# Altium PCB RTM_SFP.PcbDoc (part 3 of 5)
Units mm, origin at the board's own origin, x right, y up, seen from the top; angles counter-clockwise.
Board outline 182.5 x 148.5 mm, 4 copper layers (Top Layer, MidPlane_1, MidPlane_2, Bottom Layer), stack 1.614 mm thick; 376 components, 325 nets, 1560 pads, 1463 vias.
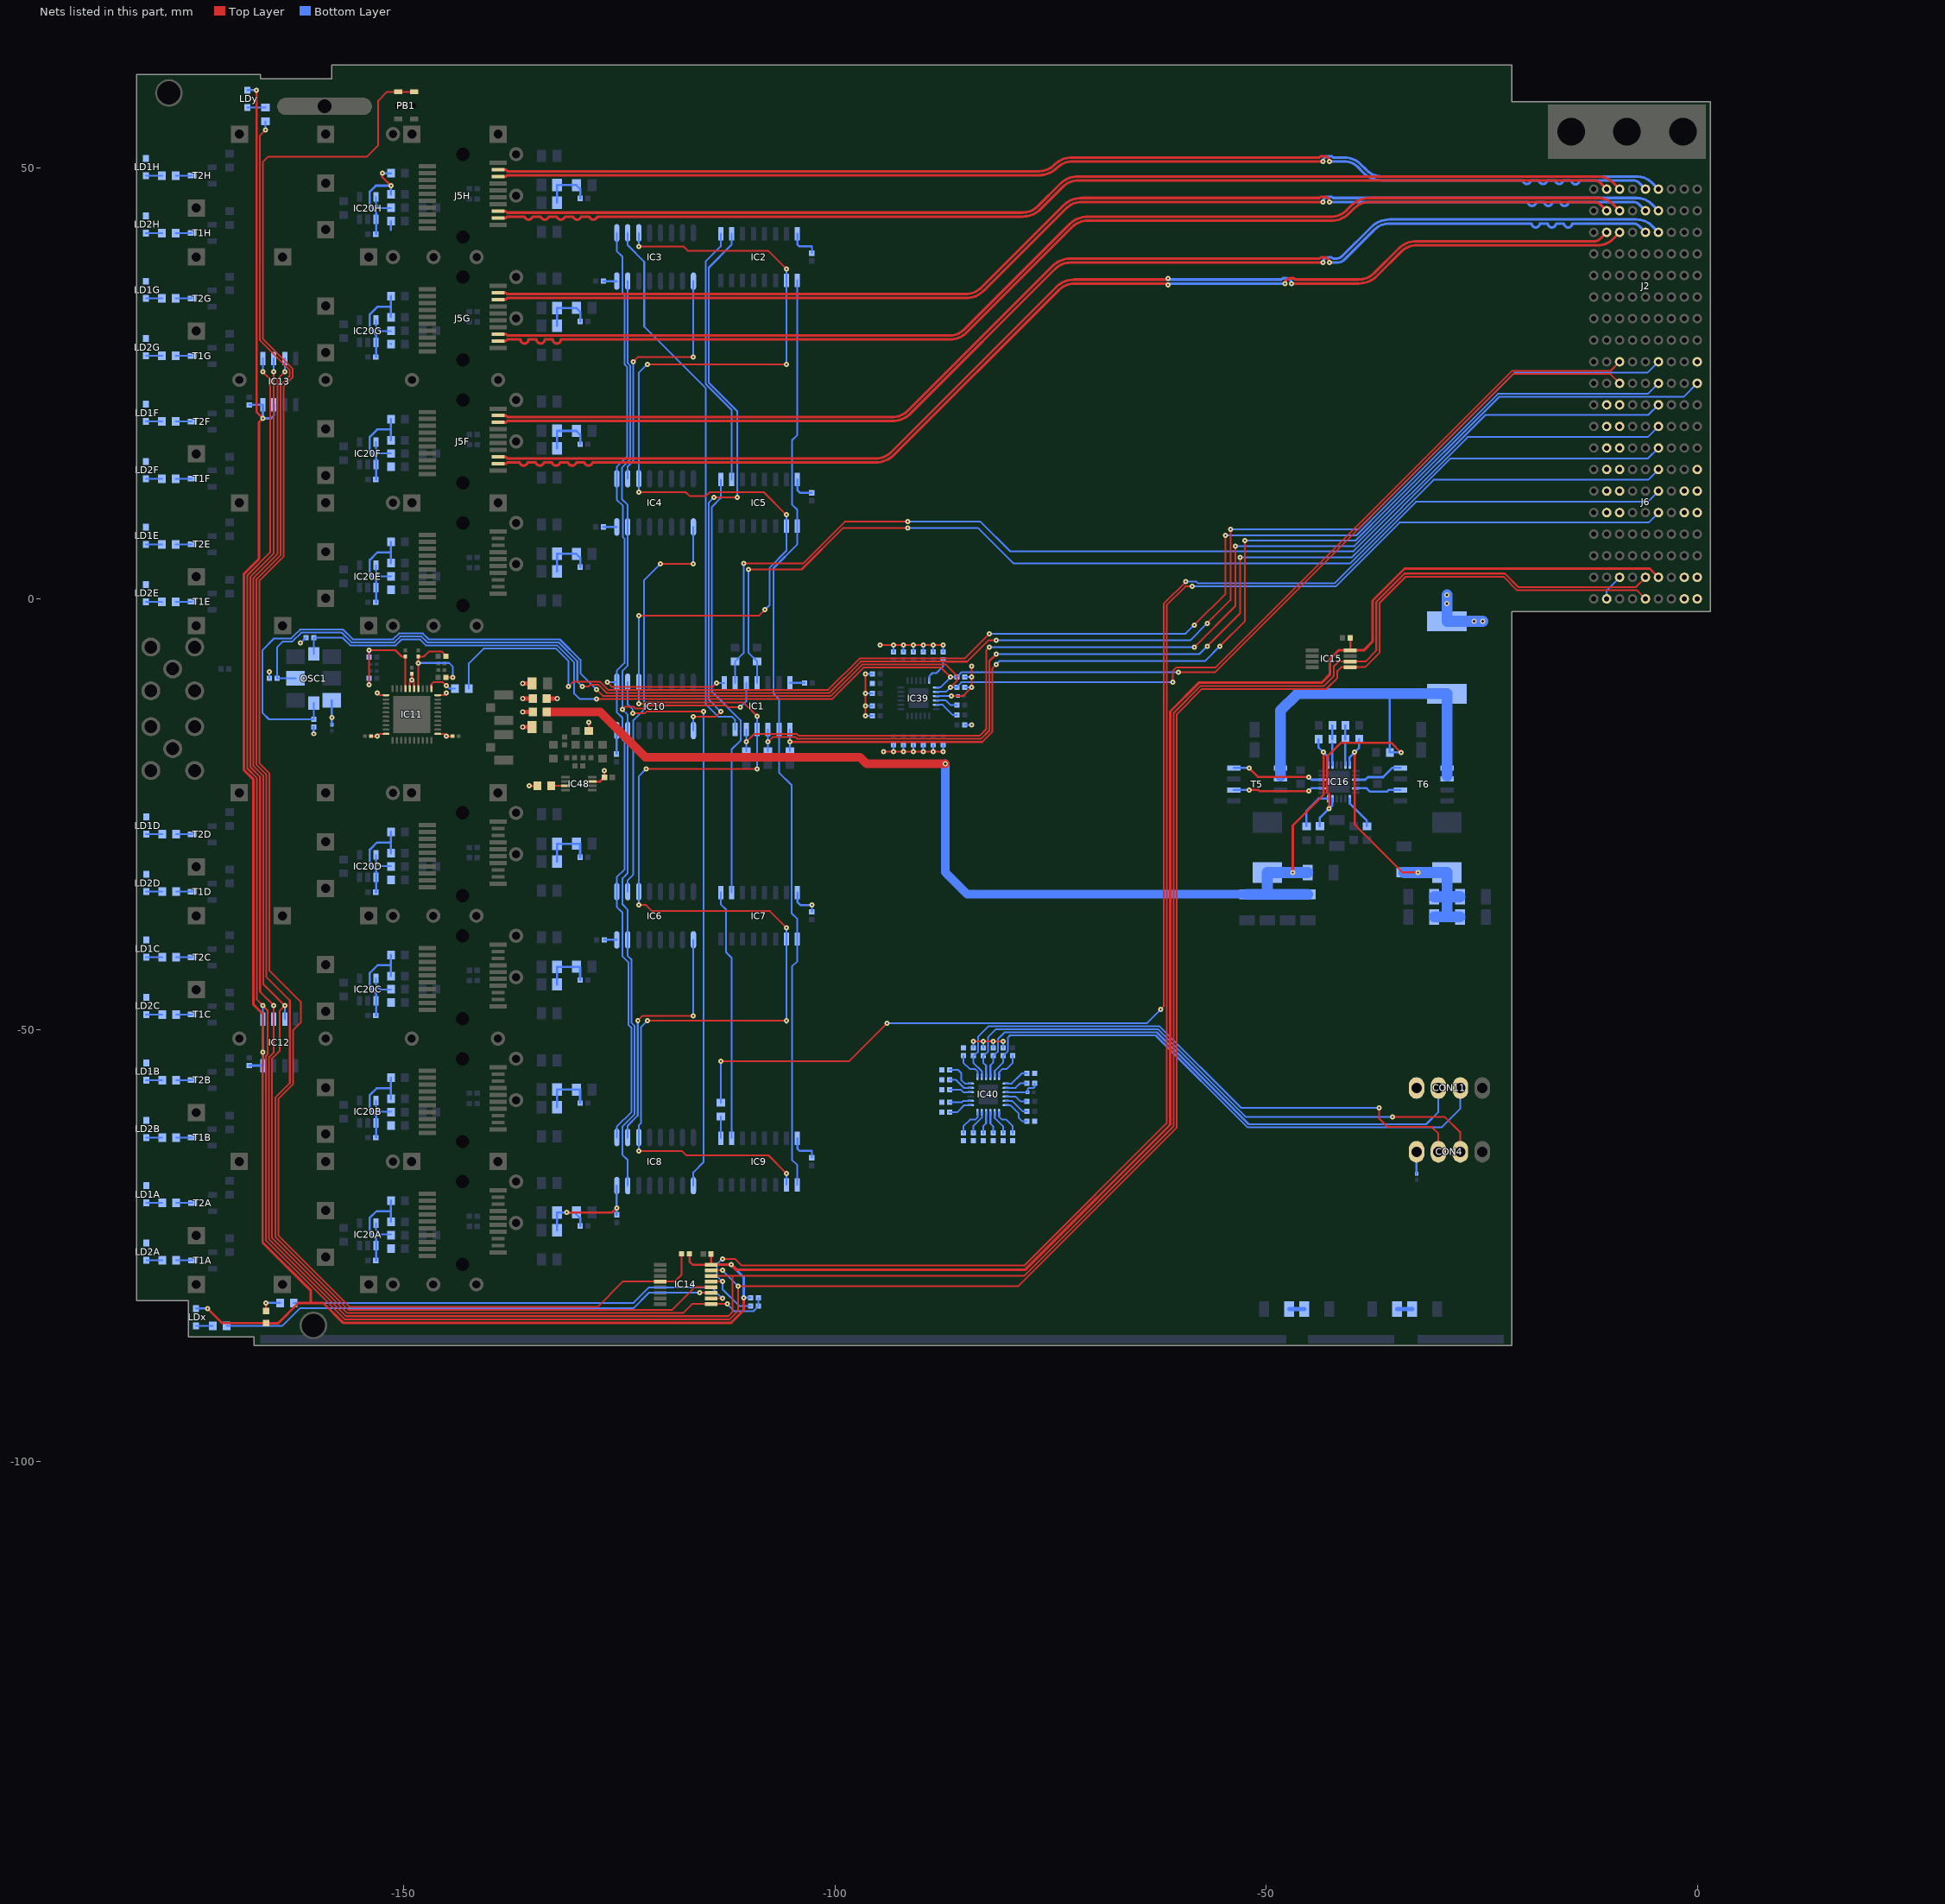
[diagram p5: the nets of this part, all layers, seen from the top]

## Via types
v1: diameter 0.6, hole 0.2, Top Layer to Bottom Layer, tented both sides, 1383 vias
v2: diameter 0.6, hole 0.3, Top Layer to Bottom Layer, tented both sides, 51 vias
v3: diameter 0.66, hole 0.33, Top Layer to Bottom Layer, tented top, 24 vias
v4: diameter 0.6, hole 0.4, Top Layer to Bottom Layer, tented both sides, 5 vias

## Nets (pads, with @x,y where several pads share a name; then routed paths per layer and width w, separated by ;. In a path a pad name is that pad's centre, name@x,y a point inside that pad or via, vN(x,y) a via of type N, cw(c..) or ccw(c..) an arc to the next point about the centre after c; other vN are vias at no path point) (continued)
NetC396_2: C396.2 IC11.4 R314.1 R315.1 | length 13.6
  Top Layer w0.203: IC11.4@-148.33,-10.41 v1(-148.33,-7.43) C396.2@-148.33,-6.7 -147.7,-6.7 -147.08,-6.08 -145.631,-6.08 -145.12,-6.591 R314.1@-145.12,-6.65 ; R315.1@-145.12,-9.1 v1(-144.34,-9.1)
  Bottom Layer w0.203: v1(-148.33,-7.43) -144.76,-7.43 -144.34,-7.85 v1(-144.34,-9.1)
NetC397_2: C397.2 IC11.7 R312.1 R313.1 | length 13.8
  Top Layer w0.203: v1(-154.06,-9.97) v1(-154.06,-5.95) -150.99,-5.95 -150.24,-6.7 C397.2@-149.83,-6.7 IC11.7@-149.83,-10.41
  Bottom Layer w0.203: v1(-154.06,-9.97) R312.1@-154.06,-9.19 ; R313.1@-154.06,-6.73 v1(-154.06,-5.95)
NetCON4_2: CON4.2 IC40.15 R355.1 | length 67.4
  Top Layer w0.203: v1(-35.33,-60.05) -29.3,-60.05 -27.48,-61.87 CON4.2@-27.48,-64.114
  Bottom Layer w0.203: IC40.15@-82.48,-55.41 -82.48,-54.112 -82.821,-53.77 R355.1@-82.821,-52.98 -82.762,-52.98 -82.25,-52.468 -82.25,-50.8 -81.349,-49.899 -62.536,-49.899 -52.385,-60.05 v1(-35.33,-60.05)
NetCON4_3: CON4.3 IC40.14 R354.1 | length 67.2
  Top Layer w0.203: v1(-36.9,-59.01) -36.9,-60.24 -35.92,-61.22 -30.81,-61.22 -30.02,-62.01 CON4.3@-30.02,-64.114
  Bottom Layer w0.203: IC40.14@-82.98,-55.41 -82.98,-54.762 -83.971,-53.77 R354.1@-83.971,-52.98 -83.912,-52.98 -83.4,-52.468 -83.4,-50.75 -82.194,-49.544 -62.388,-49.544 -52.922,-59.01 v1(-36.9,-59.01)
NetCON11_2: CON11.2 IC40.17 R357.1 | length 65.5
  Bottom Layer w0.203: IC40.17@-81.48,-55.41 -81.48,-54.724 -80.526,-53.77 R357.1@-80.526,-52.98 -80.467,-52.98 -79.96,-52.473 -79.96,-50.87 -79.7,-50.61 -62.83,-50.61 -52.164,-61.276 -29.666,-61.276 -27.48,-59.09 CON11.2@-27.48,-56.714
NetCON11_3: CON11.3 IC40.16 R356.1 | length 64
  Bottom Layer w0.203: IC40.16@-81.98,-55.41 -81.98,-54.079 -81.671,-53.77 R356.1@-81.671,-52.98 -81.612,-52.98 -81.118,-52.485 -81.118,-51.058 -81.12,-51.056 -80.319,-50.255 -62.683,-50.255 -52.017,-60.921 -31.441,-60.921 -30.02,-59.5 CON11.3@-30.02,-56.714
NetF1_1: F1.1 J6.A1 J6.A2 J6.B1 J6.B2 | length 7.2
  Bottom Layer w1.27: v2(-29.02,0.457) F1.1@-29.02,-2.59 v2(-24.882,-2.59)
  other v2: -25.88,-2.59 -29.02,-0.54
NetIC1_2: IC1.2 IC2.1 IC5.1 IC7.1 IC9.1 | length 108.2
  Bottom Layer w0.203: IC9.1@-104.37,-67.944 -104.37,-65.67 -104.99,-65.05 -104.99,-42.63 -104.37,-42.01 IC7.1@-104.37,-39.444 -104.37,-37.12 -105.03,-36.46 -105.03,-21.6 -106.5,-20.13 IC1.2@-106.5,-15.15 -106.5,-11.61 -107.14,-10.97 -107.14,3.557 -104.37,6.327 IC5.1@-104.37,8.436 -104.37,10.32 -105,10.95 -105,18.38 -104.37,19.01 IC2.1@-104.37,36.936
NetIC1_4: IC1.4 IC2.2 IC3.3 IC4.3 IC5.2 IC6.3 IC7.2 IC8.3 IC9.2 IC10.3 | length 248.1
  Top Layer w0.203: v1(-122.775,-64.01) -117.78,-64.01 -117.27,-64.52 -107.74,-64.52 v1(-105.64,-66.62) ; v1(-122.775,-35.51) -121.91,-35.51 -121.214,-36.206 -107.554,-36.206 v1(-105.64,-38.12) ; v1(-122.775,-12.175) -122.165,-12.175 -122.01,-12.02 -110.61,-12.02 v1(-109.04,-13.59) ; v1(-122.775,-1.94) -108.81,-1.94 v1(-108.12,-1.25) ; v1(-122.775,12.37) -117.31,12.37 -116.84,11.9 -115,11.9 -114.53,12.37 -108.25,12.37 v1(-105.64,9.76) ; v1(-122.775,40.87) -117.6,40.87 -117.09,40.36 -107.76,40.36 -107.75,40.37 v1(-105.64,38.26) ; v1(-121.91,-19.72) v1(-109.04,-19.72) ; v1(-121.77,-48.91) v1(-105.64,-48.91) ; v1(-121.77,27.2) v1(-105.64,27.2)
  Bottom Layer w0.203: v1(-122.775,-64.01) IC8.3@-122.775,-62.45 -122.775,-61.05 -122.525,-60.8 -122.525,-49.665 v1(-121.77,-48.91) ; v1(-122.775,-35.51) IC6.3@-122.775,-33.95 -122.775,-20.585 v1(-121.91,-19.72) ; v1(-122.775,-12.175) IC10.3@-122.775,-9.675 v1(-122.775,-1.94) ; v1(-122.775,12.37) IC4.3@-122.775,13.93 -122.775,26.195 v1(-121.77,27.2) ; v1(-122.775,40.87) IC3.3@-122.775,42.43 ; v1(-109.04,-19.72) IC1.4@-109.04,-15.15 v1(-109.04,-13.59) ; v1(-108.12,-1.25) -107.568,-0.698 -107.568,3.632 -105.64,5.56 IC5.2@-105.64,8.436 v1(-105.64,9.76) ; IC9.2@-105.64,-67.944 v1(-105.64,-66.62) ; v1@-105.64,-49.18 v1(-105.64,-48.91) IC7.2@-105.64,-39.444 v1(-105.64,-38.12) ; v1(-105.64,27.2) IC2.2@-105.64,36.936 v1(-105.64,38.26)
NetIC1_6: IC1.6 IC3.2 | length 63.7
  Bottom Layer w0.203: IC3.2@-124.045,42.43 -124.045,41.005 -122.13,39.09 -122.13,31.56 -114.991,24.421 -114.991,-12.219 -113.53,-13.68 -111.92,-13.68 -111.58,-14.02 IC1.6@-111.58,-15.15
NetIC1_8: IC1.8 IC3.1 IC4.1 IC6.1 IC8.1 IC10.1 | length 123.9
  Top Layer w0.203: v1(-126.42,-9.67) -125.892,-10.198 -114.168,-10.198 v1(-113.72,-9.75)
  Bottom Layer w0.203: v1(-126.42,-9.67) IC10.1@-125.32,-9.67 ; IC8.1@-125.315,-62.45 -125.315,-61.215 -123.591,-59.491 -123.591,-49.759 -123.975,-49.375 -123.975,-42.125 -124.68,-41.42 -124.68,-36.34 -125.315,-35.705 IC6.1@-125.315,-33.95 -125.315,-32.255 -124.4,-31.34 -124.4,-16.6 -124.675,-16.325 -124.675,-13.765 -125.315,-13.125 IC10.1@-125.315,-9.675 -125.315,-8.34 -124.425,-7.45 -124.425,6.975 -124.604,7.154 -124.604,10.774 -125.315,11.485 IC4.1@-125.315,13.93 -125.315,15.305 -124.121,16.499 -124.121,26.908 -124.4,27.187 -124.4,35.3 -124.675,35.575 -124.675,39.7 -125.315,40.34 IC3.1@-125.315,42.43 ; v1(-113.72,-9.75) IC1.8@-112.85,-9.75
NetIC1_10: IC1.10 IC3.15 IC4.15 IC6.15 IC8.15 IC10.15 | length 125.1
  Top Layer w0.203: v1(-124.67,-12.83) -124.35,-12.51 -123.34,-12.51 -123.121,-12.729 -122.217,-12.729 -121.863,-12.375 -112.575,-12.375 -112.37,-12.58 v1(-111,-12.58)
  Bottom Layer w0.203: IC8.15@-124.045,-68.038 -124.045,-65.075 -124.68,-64.44 -124.68,-61.202 -123.236,-59.758 -123.236,-49.537 -123.6,-49.172 -123.6,-41.85 -124.045,-41.405 IC6.15@-124.045,-39.538 -124.045,-36.045 -124.65,-35.44 -124.65,-32.39 -124.045,-31.785 IC10.15@-124.045,-15.263 -124.045,-13.455 v1(-124.67,-12.83) -124.67,-8.37 -124.045,-7.745 IC4.15@-124.045,8.342 -124.045,10.875 -124.69,11.52 -124.69,15.23 -123.765,16.155 -123.765,27.055 -124.045,27.335 IC3.15@-124.045,36.842 ; v1(-111,-12.58) -110.31,-11.89 IC1.10@-110.31,-9.75
NetIC2_9: IC2.9 IC5.10 | length 30.5
  Bottom Layer w0.203: IC2.9@-113.26,42.336 -113.26,40.87 -115,39.13 -115,24.933 -111.99,21.923 IC5.10@-111.99,13.836
NetIC2_10: IC2.10 IC10.9 | length 66.4
  Top Layer w0.203: v1(-116.425,-13.645) -113.835,-13.645 v1(-113.26,-13.07) ; v1(-114.03,11.79) v1(-111.35,11.79)
  Bottom Layer w0.203: IC10.9@-116.425,-15.263 v1(-116.425,-13.645) ; v1(-114.03,11.79) -114.636,11.184 -114.636,-11.694 v1(-113.26,-13.07) ; IC2.10@-111.99,42.336 -111.99,41.06 -114.645,38.405 -114.645,25.08 -111.35,21.785 v1(-111.35,11.79)
NetIC3_9: IC3.9 IC4.2 | length 29.8
  Top Layer w0.203: v1(-123.41,27.483) -122.863,28.03 v1(-116.425,28.03)
  Bottom Layer w0.203: IC4.2@-124.045,13.93 -124.045,15.372 -123.41,16.007 v1(-123.41,27.483) ; v1(-116.425,28.03) IC3.9@-116.425,36.842
NetIC4_9: IC4.9 IC6.2 | length 47.7
  Top Layer w0.203: v1(-120.235,4.08) v1(-116.425,4.08)
  Bottom Layer w0.203: IC6.2@-124.045,-33.95 -124.045,-32.625 -123.39,-31.97 -123.39,-14.08 -122.15,-12.84 -122.15,2.165 v1(-120.235,4.08) ; v1(-116.425,4.08) IC4.9@-116.425,8.342
NetIC5_9: IC5.9 IC7.10 | length 50.1
  Bottom Layer w0.203: IC5.9@-113.26,13.836 -113.26,11.69 -114.28,10.67 -114.28,-10.76 -110.96,-14.08 -110.96,-16.42 -111.99,-17.45 IC7.10@-111.99,-34.044
NetIC6_9: IC6.9 IC8.2 | length 29.5
  Top Layer w0.203: v1(-122.88,-48.897) -122.333,-48.35 v1(-116.425,-48.35)
  Bottom Layer w0.203: IC8.2@-124.045,-62.45 -124.045,-61.07 -122.88,-59.905 v1(-122.88,-48.897) ; v1(-116.425,-48.35) IC6.9@-116.425,-39.538
NetIC7_9: IC7.9 IC9.10 | length 29
  Bottom Layer w0.203: IC7.9@-113.26,-34.044 -113.26,-35.4 -112.62,-36.04 -112.62,-41 -111.99,-41.63 IC9.10@-111.99,-62.544
NetIC8_9: IC8.9 IC10.2 | length 67.6
  Top Layer w0.203: v1(-123.44,-13.27) -122.06,-13.27 -121.86,-13.07 v1(-115.26,-13.07)
  Bottom Layer w0.203: IC10.2@-124.045,-9.675 -124.045,-12.235 -123.44,-12.84 v1(-123.44,-13.27) ; IC8.9@-116.425,-68.038 -116.425,-66.495 -115.26,-65.33 v1(-115.26,-13.07)
NetIC9_9: IC9.9 R6.1 | length 2.5
  Bottom Layer w0.203: IC9.9@-113.26,-62.544 R6.1@-113.26,-60.04
NetIC11_1: IC11.1 R391.1 | length 3.7
  Top Layer w0.203: IC11.1@-146.83,-10.41 -146.83,-9.91 -146.59,-9.67 -145.465,-9.67 v1(-145.07,-10.065)
  Bottom Layer w0.203: v1(-145.07,-10.065) -144.725,-10.41 R391.1@-144.06,-10.41
NetIC12_1: IC12.1 IC13.1 IC14.15 IC15.5 J6.D1 | length 344.3
  Top Layer w0.203: v1(-166.36,26.33) -165.52,25.489 -165.52,5.365 -168.16,2.725 -168.16,-19.669 -167.041,-20.788 -167.041,-46.476 v1(-166.36,-47.157) -165.806,-47.711 -165.806,-52.786 -165.996,-52.976 -165.996,-74.405 -156.873,-83.528 -112.228,-83.528 -111.22,-82.52 v1(-111.22,-79.7) -78.778,-79.7 -60.371,-61.293 -60.371,-13.38 -57.44,-10.449 -43.009,-10.449 -41.75,-9.19 -41.75,-8.37 -41.295,-7.915 IC15.5@-40.24,-7.915 -38.525,-7.915 -36.869,-6.259 -36.869,-0.493 -33.797,2.579 -22.468,2.579 -20.889,1 -7,1 J6.D1@-6,0 ; IC14.15@-114.38,-77.865 v1(-113.055,-77.865)
  Bottom Layer w0.203: IC12.1@-166.36,-48.714 v1(-166.36,-47.157) ; v1(-166.36,26.33) IC13.1@-166.36,27.886 ; v1(-113.055,-77.865) v1(-111.22,-79.7)
NetIC12_2: IC12.2 IC13.2 IC14.14 IC15.6 J6.D2 | length 343.3
  Top Layer w0.203: v1(-165.09,26.33) -165.09,5.292 -167.805,2.578 -167.805,-19.522 -166.685,-20.641 -166.685,-45.562 v1(-165.09,-47.157) -165.09,-52.573 -165.641,-53.123 -165.641,-74.257 -156.726,-83.172 -112.382,-83.172 -111.89,-82.68 -111.89,-78.515 ; IC14.14@-114.38,-78.515 -111.89,-78.515 ; J6.D2@-6,2.5 -7.145,1.355 -20.741,1.355 -22.321,2.934 -33.944,2.934 -37.224,-0.346 -37.224,-5.994 -38.495,-7.265 IC15.6@-40.24,-7.265 -41.585,-7.265 -42.179,-7.859 -42.179,-8.979 -43.294,-10.094 -57.587,-10.094 -60.726,-13.233 -60.726,-61.146 -78.096,-78.515 -111.89,-78.515
  Bottom Layer w0.203: IC12.2@-165.09,-48.714 v1(-165.09,-47.157) ; v1(-165.09,26.33) IC13.2@-165.09,27.886
NetIC12_3: IC12.3 IC13.3 IC14.9 R14.2 R15.1 | length 169.2
  Top Layer w0.203: v1(-163.82,26.33) -164.68,25.47 -164.68,5.2 -167.449,2.431 -167.449,-19.374 -166.33,-20.494 -166.33,-44.647 v1(-163.82,-47.157) -164.43,-47.766 -164.43,-52.415 -165.285,-53.27 -165.285,-74.11 -156.579,-82.817 -117.637,-82.817 -116.585,-81.765 IC14.9@-114.38,-81.765 v1(-112.515,-81.765)
  Bottom Layer w0.203: IC12.3@-163.82,-48.714 v1(-163.82,-47.157) ; v1(-163.82,26.33) IC13.3@-163.82,27.886 ; v1(-112.515,-81.765) -111.66,-82.62 -109.491,-82.62 -108.91,-82.039 R15.1@-108.91,-81.98 R14.2@-108.91,-81.03
NetIC14_4: IC14.4 PB1.1 PB1.2 R16.2 | length 208.6
  Top Layer w0.203: PB1.2@-148.826,58.786 PB1.1@-150.676,58.786 -151.954,58.786 -152.98,57.76 -152.98,52.58 -154.3,51.26 -165.767,51.26 -166.367,50.66 -166.367,30.162 -162.911,26.706 -162.911,25.651 -163.969,24.593 -163.969,4.906 -166.738,2.136 -166.738,-19.08 -165.619,-20.199 -165.619,-43.071 -161.97,-46.72 -161.97,-49.115 -162.875,-50.02 -162.875,-56.287 -164.575,-57.987 -164.575,-73.816 -156.284,-82.106 -127.556,-82.106 -124.615,-79.165 IC14.4@-120.28,-79.165 -118.615,-79.165 -117.79,-78.34 R16.2@-117.79,-75.96
NetIC16_2: IC16.2 R195.2 R248.2 | length 4.1
  Bottom Layer w0.254: IC16.2@-42.31,-19.27 R195.2@-42.31,-16.76 ; R195.2@-42.31,-16.27 R248.2@-42.31,-14.67
NetIC16_5: IC16.5 R18.2 R53.1 | length 4.1
  Bottom Layer w0.254: IC16.5@-40.81,-19.27 R53.1@-40.81,-16.76 ; R53.1@-40.81,-16.27 R18.2@-40.81,-14.67
NetIC16_9: IC16.9 T6.4 | length 5.8
  Bottom Layer w0.254: IC16.9@-39.61,-20.97 -38.5,-20.97 -38.2,-20.67 -36.44,-20.67 -35.385,-19.615 T6.4@-34.42,-19.615
NetIC16_11: IC16.11 T6.2 | length 5.4
  Bottom Layer w0.254: IC16.11@-39.61,-21.97 -38.33,-21.97 -37.94,-22.36 -35.99,-22.36 -35.785,-22.155 T6.2@-34.42,-22.155
NetIC16_13: IC16.13 R246.2 | length 4
  Bottom Layer w0.254: IC16.13@-40.31,-23.17 -40.31,-23.74 -38.31,-25.74 R246.2@-38.31,-26.37
NetIC16_18: IC16.18 R54.1 | length 4.9
  Bottom Layer w0.254: R54.1@-45.32,-26.37 -45.32,-24.58 -43.91,-23.17 IC16.18@-42.81,-23.17
NetIC16_20: IC16.20 T5.2 | length 10.4
  Top Layer w0.254: v1(-51.965,-22.155) -50.915,-22.155 -50.79,-22.28 v1(-45.06,-22.28)
  Bottom Layer w0.254: T5.2@-53.75,-22.155 v1(-51.965,-22.155) ; v1(-45.06,-22.28) -44.75,-21.97 IC16.20@-43.51,-21.97
NetIC16_22: IC16.22 T5.4 | length 10.8
  Top Layer w0.254: v1(-51.965,-19.615) -50.92,-20.66 v1(-45.06,-20.66)
  Bottom Layer w0.254: T5.4@-53.75,-19.615 v1(-51.965,-19.615) ; v1(-45.06,-20.66) -44.75,-20.97 IC16.22@-43.51,-20.97
NetIC20A_5: IC20A.5 R109A.1 | length 2.7
  Bottom Layer w0.203: IC20A.5@-153.23,-72.401 -153.23,-73.008 ccw(c-152.547,-73.008) -153.03,-73.491 ccw(c-152.523,-72.984) -152.523,-73.701 R109A.1@-151.5,-73.701
NetIC20B_5: IC20B.5 R109B.1 | length 2.7
  Bottom Layer w0.203: IC20B.5@-153.23,-58.15 -153.23,-58.757 ccw(c-152.547,-58.757) -153.03,-59.24 ; -153.03,-59.24 ccw(c-152.523,-58.733) -152.523,-59.45 R109B.1@-151.5,-59.45
NetIC20C_5: IC20C.5 R109C.1 | length 2.7
  Bottom Layer w0.203: IC20C.5@-153.23,-44 -153.23,-44.607 ccw(c-152.547,-44.607) -153.03,-45.09 ccw(c-152.523,-44.583) -152.523,-45.3 R109C.1@-151.5,-45.3
NetIC20D_5: IC20D.5 R109D.1 | length 2.7
  Bottom Layer w0.203: IC20D.5@-153.23,-29.7 -153.23,-30.307 ccw(c-152.547,-30.307) -153.03,-30.79 ccw(c-152.523,-30.283) -152.523,-31 R109D.1@-151.5,-31
NetIC20E_5: IC20E.5 R109E.1 | length 2.7
  Bottom Layer w0.203: IC20E.5@-153.23,3.9 -153.23,3.293 ccw(c-152.547,3.293) -153.03,2.81 ccw(c-152.523,3.317) -152.523,2.6 R109E.1@-151.5,2.6
NetIC20F_5: IC20F.5 R109F.1 | length 2.7
  Bottom Layer w0.203: IC20F.5@-153.23,18.16 -153.23,17.553 ccw(c-152.547,17.553) -153.03,17.07 ccw(c-152.523,17.577) -152.523,16.86 R109F.1@-151.5,16.86
NetIC20G_5: IC20G.5 R109G.1 | length 2.7
  Bottom Layer w0.203: IC20G.5@-153.23,32.36 -153.23,31.753 ccw(c-152.547,31.753) -153.03,31.27 ccw(c-152.523,31.777) -152.523,31.06 R109G.1@-151.5,31.06
NetIC20H_5: IC20H.5 R109H.1 | length 2.7
  Bottom Layer w0.203: IC20H.5@-153.23,46.6 -153.23,45.993 ccw(c-152.547,45.993) -153.03,45.51 ccw(c-152.523,46.017) -152.523,45.3 R109H.1@-151.5,45.3
NetIC39_18: IC39.18 R328.2 | length 3.4
  Bottom Layer w0.203: IC39.18@-89.069,-9.48 -89.069,-8.969 -88.71,-8.61 -88.235,-8.61 -87.47,-7.845 R328.2@-87.47,-7.055
NetIC39_22: IC39.22 R326.2 | length 2.7
  Bottom Layer w0.203: IC39.22@-88.269,-11.78 -87.15,-11.78 -86.605,-12.325 R326.2@-85.84,-12.325
NetIC39_23: IC39.23 R327.2 | length 2.9
  Bottom Layer w0.203: IC39.23@-88.269,-12.28 -87.53,-12.28 -86.34,-13.47 R327.2@-85.84,-13.47
NetIC40_1: IC40.1 R337.1 | length 3.4
  Bottom Layer w0.203: IC40.1@-80.98,-59.51 -80.98,-60.027 -80.621,-60.385 -80.146,-60.385 -79.381,-61.15 R337.1@-79.381,-61.94
NetIC40_2: IC40.2 R338.1 | length 2.8
  Bottom Layer w0.203: IC40.2@-81.48,-59.51 -81.48,-60.197 -80.526,-61.15 R338.1@-80.526,-61.94
NetIC40_3: IC40.3 R339.1 | length 2.6
  Bottom Layer w0.203: IC40.3@-81.98,-59.51 -81.98,-60.842 -81.671,-61.15 R339.1@-81.671,-61.94
NetIC40_4: IC40.4 R340.1 | length 2.6
  Bottom Layer w0.203: R340.1@-82.821,-61.94 -82.821,-61.15 -82.48,-60.809 IC40.4@-82.48,-59.51
NetIC40_5: IC40.5 R341.1 | length 2.8
  Bottom Layer w0.203: R341.1@-83.971,-61.94 -83.971,-61.15 -82.98,-60.159 IC40.5@-82.98,-59.51
NetIC40_6: IC40.6 R342.1 | length 3.5
  Bottom Layer w0.203: R342.1@-85.116,-61.94 -85.116,-61.15 -84.351,-60.385 -83.751,-60.385 -83.48,-60.114 IC40.6@-83.48,-59.51
NetIC40_7: IC40.7 R343.1 | length 2.8
  Bottom Layer w0.203: R343.1@-86.706,-59.5 -85.801,-59.5 -85.011,-58.71 IC40.7@-84.28,-58.71
NetIC40_8: IC40.8 R344.1 | length 2.5
  Bottom Layer w0.203: R344.1@-86.706,-58.355 -85.266,-58.355 -85.121,-58.21 IC40.8@-84.28,-58.21
NetIC40_10: IC40.10 R350.1 | length 2.6
  Bottom Layer w0.203: R350.1@-86.706,-56.91 -85.431,-56.91 -85.132,-57.21 IC40.10@-84.28,-57.21
NetIC40_11: IC40.11 R351.1 | length 2.8
  Bottom Layer w0.203: R351.1@-86.706,-55.76 -86.011,-55.76 -85.062,-56.71 IC40.11@-84.28,-56.71
NetIC40_12: IC40.12 R352.1 | length 3.6
  Bottom Layer w0.203: R352.1@-86.706,-54.615 -85.716,-54.615 -85.371,-54.96 -85.371,-55.77 -84.932,-56.21 IC40.12@-84.28,-56.21
NetIC40_13: IC40.13 R353.1 | length 3.5
  Bottom Layer w0.203: R353.1@-85.116,-52.98 -85.116,-53.77 -84.351,-54.535 -83.751,-54.535 -83.48,-54.807 IC40.13@-83.48,-55.41
NetIC40_18: IC40.18 R349.2 | length 3.4
  Bottom Layer w0.203: IC40.18@-80.98,-55.41 -80.98,-54.894 -80.621,-54.535 -80.146,-54.535 -79.381,-53.77 R349.2@-79.381,-52.98
NetIC40_19: IC40.19 R346.1 | length 2.9
  Bottom Layer w0.203: IC40.19@-80.18,-56.21 -79.521,-56.21 -78.321,-55.01 R346.1@-77.751,-55.01
NetIC40_20: IC40.20 R345.1 | length 2.7
  Bottom Layer w0.203: IC40.20@-80.18,-56.71 -79.061,-56.71 -78.516,-56.165 R345.1@-77.751,-56.165
NetIC40_22: IC40.22 R347.2 | length 2.7
  Bottom Layer w0.203: IC40.22@-80.18,-57.71 -79.062,-57.71 -78.516,-58.255 R347.2@-77.751,-58.255
NetIC40_23: IC40.23 R348.2 | length 2.9
  Bottom Layer w0.203: IC40.23@-80.18,-58.21 -79.462,-58.21 -78.271,-59.4 R348.2@-77.751,-59.4
NetIC40_24: IC40.24 R29.1 | length 3.5
  Bottom Layer w0.203: IC40.24@-80.18,-58.71 -79.662,-58.71 -78.711,-59.66 -78.711,-60.15 -78.311,-60.55 R29.1@-77.751,-60.55
NetIC48_3: IC48.3 R27.1 | length 1.6
  Top Layer w0.203: R27.1@-132.9,-21.69 IC48.3@-131.25,-21.69
NetJ6_e2: J6.E2 J6.F1 | length 3.1
  Bottom Layer w0.203: J6.F1@-10.5,0 -10.5,1 J6.E2@-9,2.5
NetLD1A_1: LD1A.1 R1A.2 | length 1.9
  Bottom Layer w0.203: LD1A.1@-179.885,-70.051 R1A.2@-178.01,-70.051
NetLD1B_1: LD1B.1 R1B.2 | length 1.9
  Bottom Layer w0.203: LD1B.1@-179.9,-55.8 R1B.2@-178.025,-55.8
NetLD1C_1: LD1C.1 R1C.2 | length 1.9
  Bottom Layer w0.203: LD1C.1@-179.9,-41.55 R1C.2@-178.025,-41.55
NetLD1D_1: LD1D.1 R1D.2 | length 1.9
  Bottom Layer w0.203: LD1D.1@-179.9,-27.3 R1D.2@-178.025,-27.3
NetLD1E_1: LD1E.1 R1E.2 | length 1.9
  Bottom Layer w0.203: LD1E.1@-179.925,6.325 R1E.2@-178.05,6.325
NetLD1F_1: LD1F.1 R1F.2 | length 1.9
  Bottom Layer w0.203: LD1F.1@-179.925,20.575 R1F.2@-178.05,20.575
NetLD1G_1: LD1G.1 R1G.2 | length 1.9
  Bottom Layer w0.203: LD1G.1@-179.925,34.825 R1G.2@-178.05,34.825
NetLD1H_1: LD1H.1 R1H.2 | length 1.9
  Bottom Layer w0.203: LD1H.1@-179.925,49.075 R1H.2@-178.05,49.075
NetLD2A_1: LD2A.1 R11A.2 | length 1.9
  Bottom Layer w0.203: LD2A.1@-179.885,-76.701 R11A.2@-178.01,-76.701
NetLD2B_1: LD2B.1 R11B.2 | length 1.9
  Bottom Layer w0.203: LD2B.1@-179.9,-62.45 R11B.2@-178.025,-62.45
NetLD2C_1: LD2C.1 R11C.2 | length 1.9
  Bottom Layer w0.203: LD2C.1@-179.9,-48.2 R11C.2@-178.025,-48.2
NetLD2D_1: LD2D.1 R11D.2 | length 1.9
  Bottom Layer w0.203: LD2D.1@-179.9,-33.95 R11D.2@-178.025,-33.95
NetLD2E_1: LD2E.1 R11E.2 | length 1.9
  Bottom Layer w0.203: LD2E.1@-179.925,-0.325 R11E.2@-178.05,-0.325
NetLD2F_1: LD2F.1 R11F.2 | length 1.9
  Bottom Layer w0.203: LD2F.1@-179.925,13.925 R11F.2@-178.05,13.925
NetLD2G_1: LD2G.1 R11G.2 | length 1.9
  Bottom Layer w0.203: LD2G.1@-179.925,28.175 R11G.2@-178.05,28.175